# Altium PCB Graviton-EC2-Simplified.PcbDoc (part 2 of 9)
Units mm, origin at the board's own origin, x right, y up, seen from the top; angles counter-clockwise.
Board outline 200 x 200 mm, 10 copper layers (Top Layer, Internal Plane 1, Signal Layer 1, Internal Plane 2, Signal Layer 2, Signal Layer 3, Internal Plane 3, Signal Layer 4, Internal Plane 4, Bottom Layer), stack 1.674 mm thick; 774 components, 1540 nets, 6310 pads, 1698 vias.
Unrouted connection lines stored in the file: 74.
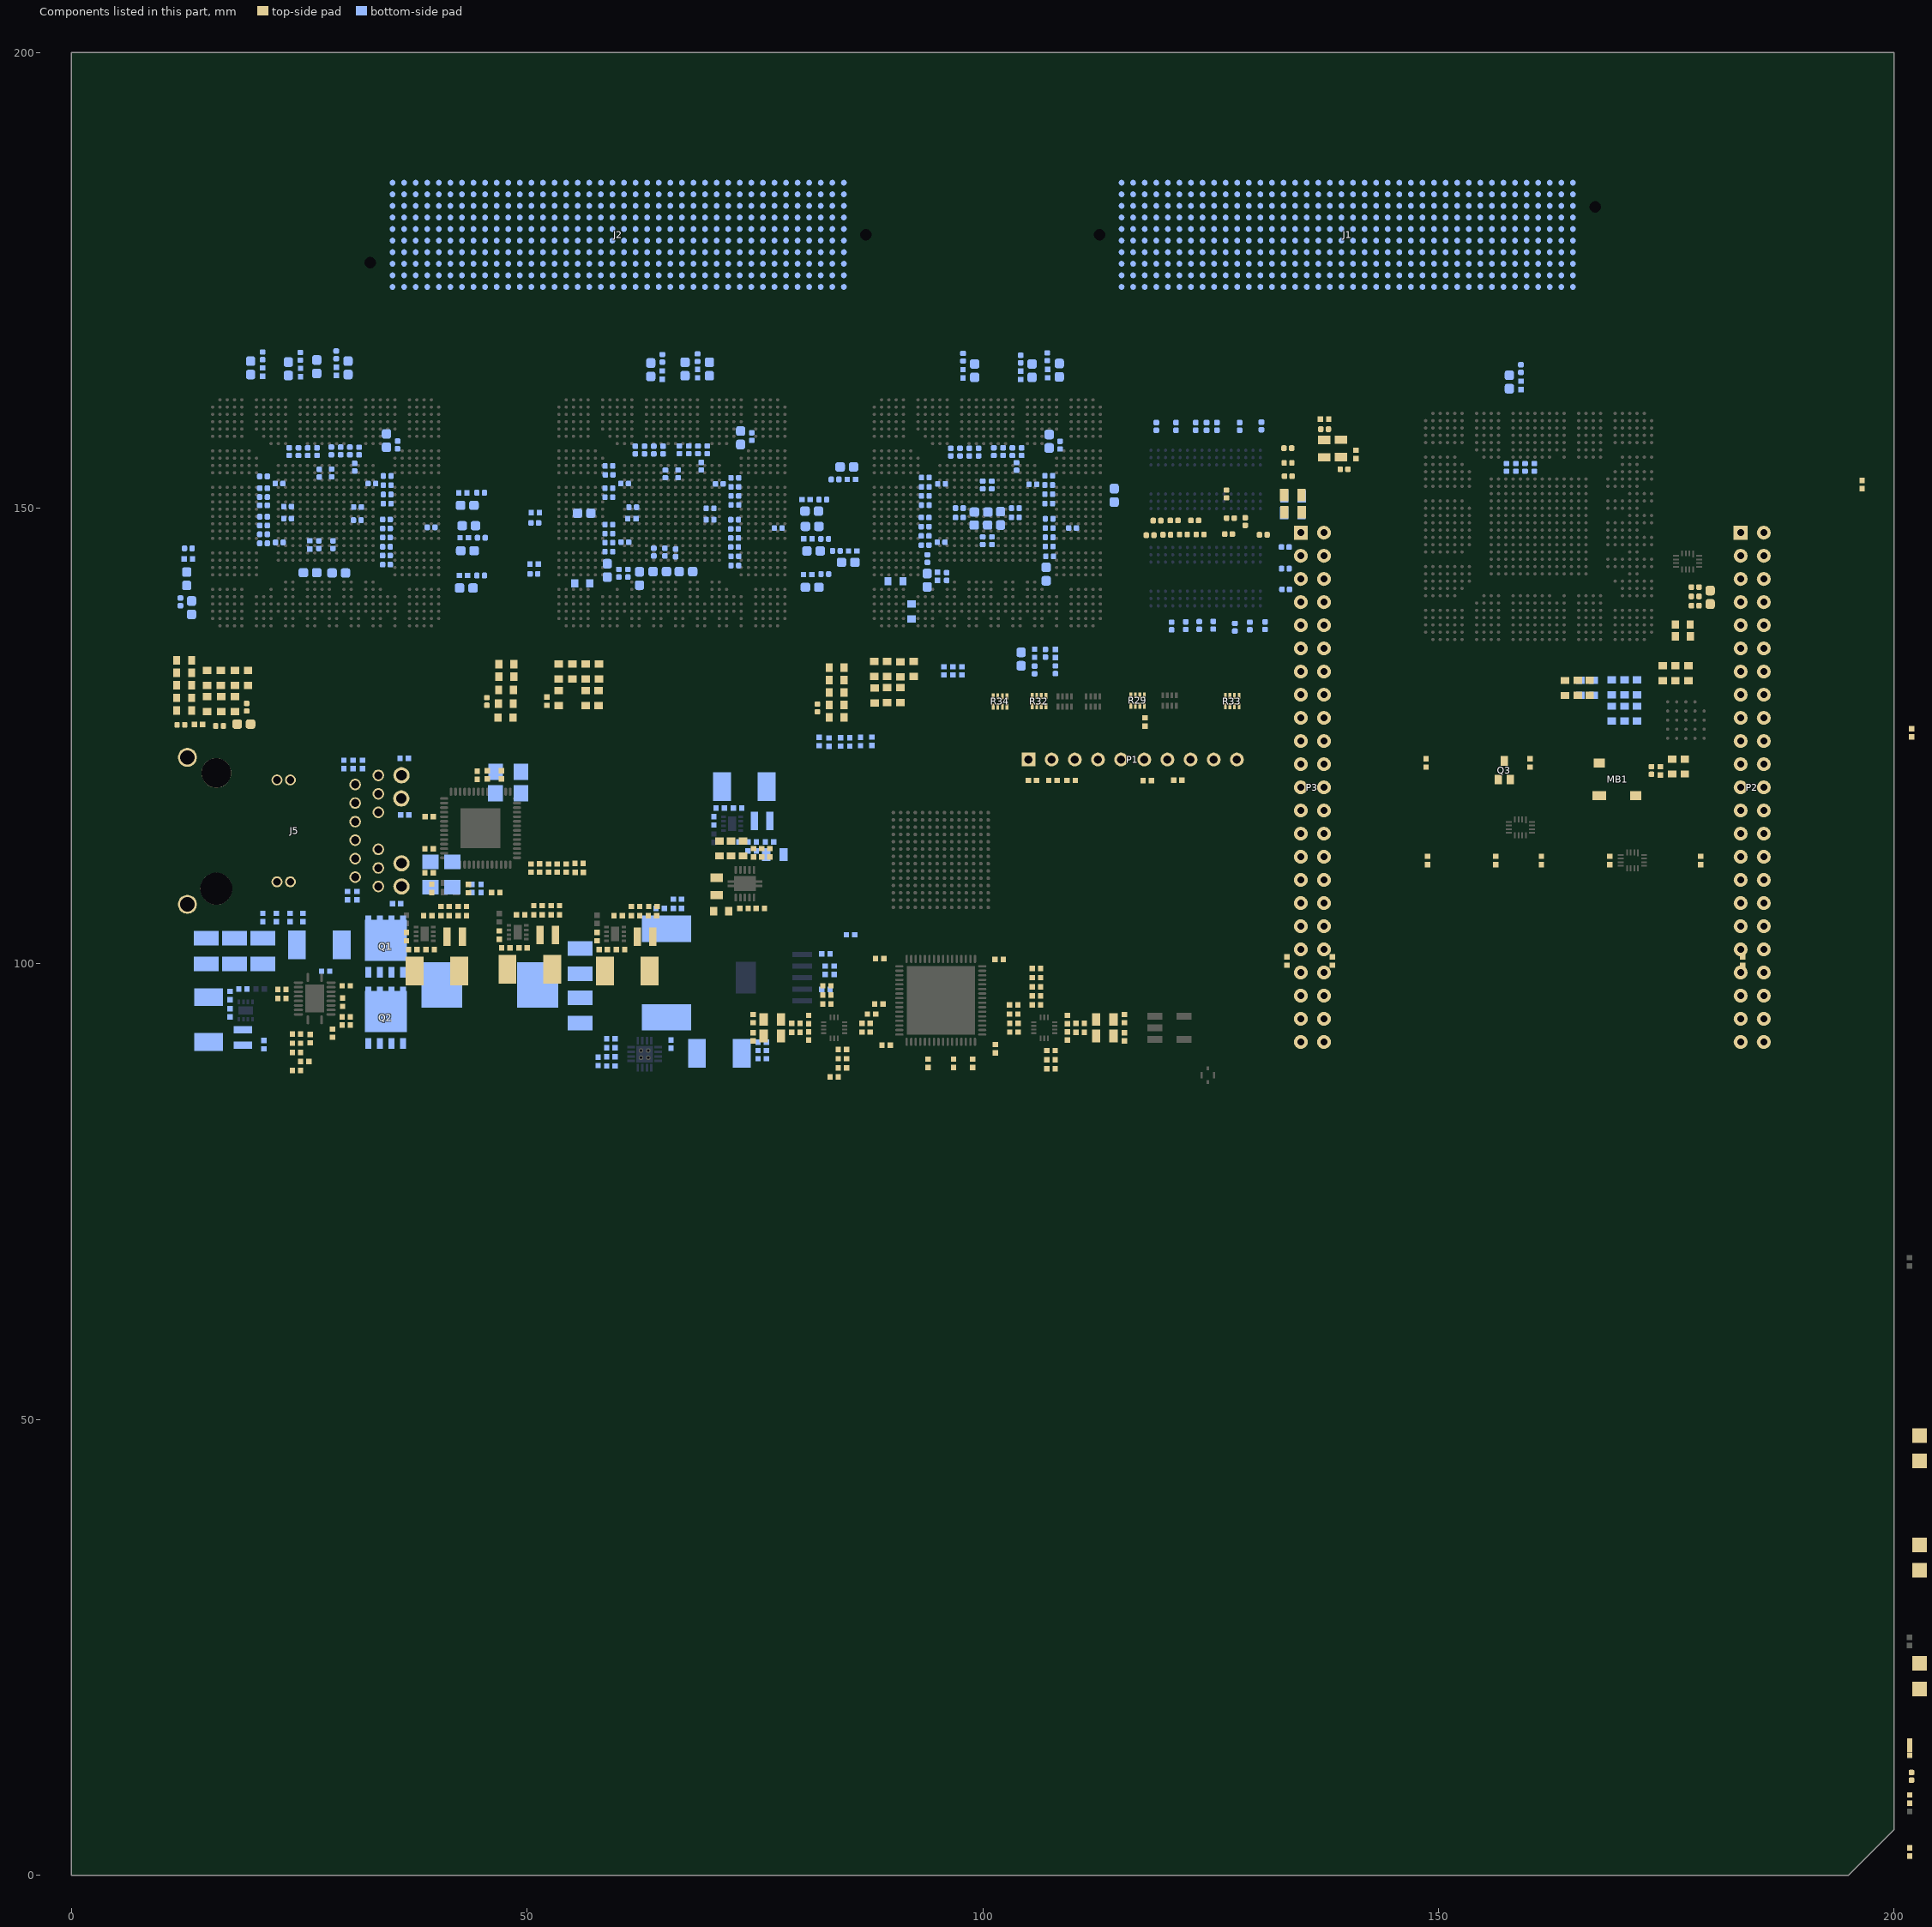
[diagram p10: the components of this part, seen from the top]

## Components (designator, comment, footprint, x,y, rotation, side; value= is the part's Value field where it differs from the comment)
C1 "CAP 0402" 0402 205.3,172.205 r90 top
C2 "CAP 0402" 0402 213.3,140.205 r90 top
C3 "CAP 0402" 0402 213.3,142.705 r90 top
C4 "CAP 0402" 0402 213.3,147.705 r90 top
C5 "CAP 0402" 0402 196.5,152.6 r90 top
C6 "CAP 0402" 0402 213.3,157.705 r90 top
C7 "CAP 0402" 0402 105.9,95.5 r0 top
C8 "CAP 0402" 0402 105.9,96.5 r0 top
C9 "CAP 0402" 0402 84.6,89.6 r180 top
C10 "CAP 0402" 0402 105.9,97.5 r0 top
C11 "CAP 0402" 0402 84.6,88.6 r180 top
C12 "CAP 0402" 0402 105.9,99.5 r180 top
C13 "CAP 0402" 0402 101.8,100.5 r180 top
C14 "CAP 0402" 0402 88.6,95.6 r0 top
C15 "CAP 0402" 0402 88.7,100.6 r0 top
C16 "CAP 0402" 0402 107.5,90.5 r180 top
C17 "CAP 0402" 0402 107.5,89.5 r180 top
C18 "CAP 0402" 0402 107.5,88.5 r180 top
C19 "CAP 0805" 0805 113.4,92.1 r180 top
C20 "CAP 0805" 0805 113.4,93.9 r180 top
C21 "CAP 0402" 0402 82.9,95.6 r0 top
C22 "CAP 0402" 0402 82.9,96.6 r0 top
C23 "CAP 0402" 0402 82.9,97.6 r0 top
C24 "CAP 0805" 0805 76.9,93.9 r0 top
C25 "CAP 0805" 0805 76.9,92.1 r0 top
C26 "CAP 0402" 0402 82.7,99.3 r90 bottom
C27 "CAP 0402" 0402 85.5,103.2 r0 bottom
C28 "CAP 0402" 0402 103.4,94.5 r180 top
C29 "CAP 0402" 0402 101.4,90.7 r90 top
C30 "CAP 0402" 0402 103.4,95.5 r180 top
C31 "CAP 0402" 0402 87.8,94.5 r0 top
C32 "CAP 0402" 0402 82.8,101.1 r180 bottom
C33 "CAP 0402" 0402 82.8,97.2 r180 bottom
C48 "GRM155R71A104KA01J" CAPC1005X56N#1 173.386,121.231 r90 top
C55A "CAP 0402" 0402 373.988,98.485 r90 top (schematic designator C55)
C55B "CAP 0402" 0402 309.188,81.84 r90 top (schematic designator C55)
C61A "CAP 0402" 0402 382.888,98.485 r90 top (schematic designator C61)
C61B "CAP 0402" 0402 318.088,81.84 r90 top (schematic designator C61)
C88 "CAP 0402" 1206 -25.642,78.08 r0 top
C89 "CAP 0402" 1206 -25.642,73.08 r0 top
C90 "CAP 0402" 0402 -25.142,96.58 r0 top
C91 "CAP 0402" 0402 -23.142,113.08 r0 top
C92 "CAP 0402" 0402 -23.142,108.08 r0 top
C93 "CAP 0402" 0402 -23.142,103.08 r0 top
C94 "CAP 0402" 0402 -26.545,97 r0 top
C95 "CAP 0402" 0402 -26.545,92 r0 top
C96 "CAP 0402" 0402 -25.142,111.58 r0 top
C97 "CAP 0402" 0402 -25.142,106.58 r0 top
C98 "CAP 0402" 0402 -27.545,98 r0 top
C99 "CAP 0402" 0402 -27.545,93 r0 top
C100 "CAP 0402" 0402 -27.142,108.08 r0 top
C101 "CAP 0402" 0402 -27.142,100.58 r0 top
C102 "CAP 0402" 0402 -27.142,93.08 r0 top
C103 "CAP 0402" 0402 -26.545,109.5 r0 top
C104 "CAP 0402" 0402 -32.545,114.5 r0 top
C105 "CAP 0402" 0402 -32.545,107 r0 top
C106 "CAP 0402" 0402 -32.545,99.5 r0 top
C107 "CAP 0402" 0402 -32.545,92 r0 top
C108 "CAP 0402" 0402 -28.142,111.08 r0 top
C109 "CAP 0402" 0402 -28.142,103.58 r0 top
C110 "CAP 0402" 0402 168.8,111.355 r270 top
C111 "CAP 0402" 0402 161.3,111.355 r270 top
C112 "CAP 0402" 0402 156.3,111.355 r270 top
C113 "CAP 0402" 0402 148.8,111.355 r270 top
C114 "CAP 0402" 0402 117.805,126.543 r90 top
C115 "GRM155R71A104KA01J" CAPC1005X56N#1 126.975,147.168 r0 top
C116 "GRM155R71A104KA01J" CAPC1005X56N#1 130.988,137.109 r90 bottom
C117 "GRM155R71A104KA01J" CAPC1005X56N#1 123.761,137.139 r90 bottom
C118 "GRM155R71A104KA01J" CAPC1005X56N#1 120.726,137.084 r90 bottom
C119 "GRM155R71A104KA01J" CAPC1005X56N#1 120.193,147.091 r0 top
C120 "GRM155R71A104KA01J" CAPC1005X56N#1 129.311,137.084 r90 bottom
C121 "GRM155R71A104KA01J" CAPC1005X56N#1 130.785,147.091 r180 top
C122 "GRM155R71A104KA01J" CAPC1005X56N#1 125.298,137.16 r90 bottom
C123 "GRM155R71A104KA01J" CAPC1005X56N#1 122.276,137.109 r90 bottom
C124 "GRM155R71A104KA01J" CAPC1005X56N#1 122.022,147.117 r0 top
C125 "GRM155R71A104KA01J" CAPC1005X56N#1 118.364,147.041 r180 top
C126 "10uF, 10V" 0805 134.034,149.458 r180 bottom
C127 "GRM155R71A104KA01J" CAPC1005X56N#1 123.85,147.117 r180 top
C128 "GRM155R71A104KA01J" CAPC1005X56N#1 127.668,136.944 r90 bottom
C129 "GRM155R71A104KA01J" CAPC1005X56N#1 133.248,141.097 r180 bottom
C130 "GRM155R71A104KA01J" CAPC1005X56N#1 133.211,143.377 r180 bottom
C131 "GRM155R71A104KA01J" CAPC1005X56N#1 133.198,145.745 r180 bottom
C132 "10uF, 10V" 0805 134.061,151.308 r180 bottom
C133 "GRM155R71A104KA01J" CAPC1005X56N#1 137.516,158.674 r180 top
C134 "GRM155R71A104KA01J" CAPC1005X56N#1 139.649,154.28 r180 top
C135 "GRM155R71A104KA01J" CAPC1005X56N#1 130.581,159.029 r270 bottom
C136 "CAP 0402" 0402 137.516,159.766 r180 top
C137 "CAP 0402" 0402 140.945,155.905 r270 top
C138 "GRM155R71A104KA01J" CAPC1005X56N#1 121.209,158.979 r270 bottom
C139 "GRM155R71A104KA01J" CAPC1005X56N#1 125.705,158.979 r270 bottom
C140 "GRM155R71A104KA01J" CAPC1005X56N#1 119.126,148.641 r0 top
C141 "GRM155R71A104KA01J" CAPC1005X56N#1 128.803,148.539 r270 top
C142 "GRM155R71A104KA01J" CAPC1005X56N#1 119.05,158.979 r270 bottom
C143 "GRM155R71A104KA01J" CAPC1005X56N#1 128.194,158.979 r270 bottom
C144 "GRM155R71A104KA01J" CAPC1005X56N#1 121.006,148.666 r180 top
C145 "GRM155R71A104KA01J" CAPC1005X56N#1 123.266,148.666 r0 top
C146 "GRM155R71A104KA01J" CAPC1005X56N#1 127.178,148.92 r180 top
C147 "GRM155R71A104KA01J" CAPC1005X56N#1 123.368,158.979 r270 bottom
C148 "GRM155R71A104KA01J" CAPC1005X56N#1 124.562,158.979 r270 bottom
C149 "10uF, 10V" 0805 134.036,151.46 r180 top
C150 "GRM155R71A104KA01J" CAPC1005X56N#1 126.746,151.562 r270 top
C151 "GRM155R71A104KA01J" CAPC1005X56N#1 133.502,154.965 r180 top
C152 "GRM155R71A104KA01J" CAPC1005X56N#1 133.528,153.518 r180 top
C153 "GRM155R71A104KA01J" CAPC1005X56N#1 133.477,156.591 r180 top
C155 "10uF, 10V" 0805 134.061,149.581 r180 top
C156 "1uF" 0402 214.42,125.358 r90 top
C157 "1uF" 0402 221.92,125.358 r90 top
C158 "100nF" 0402 229.42,125.358 r90 top
C159 "100nF" 0402 236.92,125.358 r90 top
C160 "GRM155R71A104KA01J" CAPC1005X56N#1 159.055,165.329 r270 bottom
C161 "GRM188R71A225KE15D" CAPC1608X90N 157.785,163.855 r270 bottom
C162 "GRM155R71A104KA01J" CAPC1005X56N#1 158.496,154.483 r270 bottom
C163 "GRM155R71A104KA01J" CAPC1005X56N#1 157.48,154.483 r270 bottom
C164 "GRM155R71A104KA01J" CAPC1005X56N#1 159.512,154.483 r270 bottom
C165 "GRM155R71A104KA01J" CAPC1005X56N#1 160.528,154.483 r270 bottom
C166 "GRM188R71A225KE15D" CAPC1608X90N 179.828,140.228 r90 top
C167 "GRM155R71A104KA01J" CAPC1005X56N#1 178.177,139.313 r0 top
C168 "GRM155R71A104KA01J" CAPC1005X56N#1 178.177,140.329 r0 top
C169 "GRM155R71A104KA01J" CAPC1005X56N#1 178.177,141.345 r0 top
C171 "CAP 0402" 0402 215.5,87.155 r90 top
C172 "CAP 0402" 0402 286.92,62.858 r90 top
C173 "GRM188R71A225KE15D" CAPC1608X90N 204.42,62.858 r90 top
C174 "GRM188R71A225KE15D" CAPC1608X90N 209.42,62.858 r90 top
C175 "GRM188R71A225KE15D" CAPC1608X90N 216.92,62.858 r90 top
C176 "GRM155R71A104KA01J" CAPC1005X56N#1 224.42,62.858 r90 top
C177 "GRM155R71A104KA01J" CAPC1005X56N#1 231.92,62.858 r90 top
C178 "GRM155R71A104KA01J" CAPC1005X56N#1 239.42,62.858 r90 top
C179 "GRM155R71A104KA01J" CAPC1005X56N#1 246.92,62.858 r90 top
C180 "GRM155R71A104KA01J" CAPC1005X56N#1 251.92,62.858 r90 top
C181 "GRM155R71A104KA01J" CAPC1005X56N#1 259.42,62.858 r90 top
C182 "GRM155R71A104KA01J" CAPC1005X56N#1 266.92,62.858 r90 top
C183 "GRM155R71A104KA01J" CAPC1005X56N#1 274.42,62.858 r90 top
C184 "CAP 0402" 0402 84.6,90.6 r180 top
C186 "CAP 0402" 0402 94,89.1 r90 top
C187 "CAP 0402" 0402 96.8,89.1 r90 top
C188 "CAP 0402" 0402 89.4,91.1 r0 top
C189 "CAP 0402" 0402 98.9,89.1 r90 top
C190A "CAP 10UF 0402" 0402 46.964,103.166 r270 top (schematic designator C190)
C190B "CAP 10UF 0402" 0402 57.664,102.991 r270 top (schematic designator C190)
C190C "CAP 10UF 0402" 0402 36.764,102.991 r270 top (schematic designator C190)
C190D "CAP 10UF 0402" 0402 18.816,97.236 r180 bottom (schematic designator C190)
C190E "CAP 10UF 0402" 0402 70.5,115.7 r90 bottom (schematic designator C190)
C191A "CAP 10UF 0402" 0402 49.564,101.766 r180 top (schematic designator C191)
C191B "CAP 10UF 0402" 0402 60.264,101.591 r180 top (schematic designator C191)
C191C "CAP 10UF 0402" 0402 39.364,101.591 r180 top (schematic designator C191)
C191D "CAP 10UF 0402" 0402 17.416,94.636 r270 bottom (schematic designator C191)
C191E "CAP 10UF 0402" 0402 73.1,117.1 r180 bottom (schematic designator C191)
C192A "CAP 10UF 0402" 0402 47.664,101.766 r0 top (schematic designator C192)
C192B "CAP 10UF 0402" 0402 58.364,101.591 r0 top (schematic designator C192)
C192C "CAP 10UF 0402" 0402 37.464,101.591 r0 top (schematic designator C192)
C192D "CAP 10UF 0402" 0402 17.416,96.536 r90 bottom (schematic designator C192)
C192E "CAP 10UF 0402" 0402 71.2,117.1 r0 bottom (schematic designator C192)
C193A "CAP 10UF 0402" 0402 53.1,105.4 r180 top (schematic designator C193)
C193B "CAP 10UF 0402" 0402 63.764,105.291 r180 top (schematic designator C193)
C193C "CAP 10UF 0402" 0402 42.9,105.3 r180 top (schematic designator C193)
C193D "CAP 10UF 0402" 0402 21.116,91.136 r270 bottom (schematic designator C193)
C193E "CAP 10UF 0402" 0402 76.6,113.4 r180 bottom (schematic designator C193)
C204 "CAP 0402" 0402 50.419,110.515 r90 top
C205 "CAP 0402" 0402 51.388,110.523 r90 top
C206 "CAP 0402" 0402 52.349,110.515 r90 top
C207 "CAP 0402" 0402 53.315,110.515 r90 top
C208 "CAP 0402" 0402 54.28,110.515 r90 top
C209 "CAP 0402" 0402 55.728,110.033 r0 top
C210 "CAP 0402" 0402 46.558,107.848 r0 top
C211 "CAP 0402" 1206 41.783,109.804 r90 bottom
C212 "CAP 0402" 1206 39.395,109.804 r90 bottom
C213 "CAP 0402" 0402 39.262,116.147 r0 top
C214 "CAP 0402" 0402 39.243,112.649 r0 top
C215 "CAP 0402" 0402 31.344,107.493 r90 bottom
C216 "CAP 0402" 0402 30.305,107.501 r90 bottom
C217 "CAP 0402" 0402 29.9,121.886 r270 bottom
C218 "CAP 0402" 0402 30.923,121.886 r270 bottom
C219 "CAP 0402" 0402 31.953,121.895 r270 bottom
C220 "CAP 0402" 1206 47.93,121.082 r180 bottom
C221 "CAP 0402" 1206 47.929,118.715 r180 bottom
C222 "CAP 0402" 0402 45.618,120.752 r270 top
C223 "CAP 0402" 0402 47.193,120.752 r270 top
C224 "CAP 0402" 0402 39.536,108.293 r270 top
C225 "CAP 0402" 0402 43.575,108.268 r90 top
C226A "GRM155R71A104KA01J" CAPC1005X56N#1 97.841,166.573 r270 bottom (schematic designator C226)
C226B "GRM155R71A104KA01J" CAPC1005X56N#1 25.121,166.675 r270 bottom (schematic designator C226)
C226C "GRM155R71A104KA01J" CAPC1005X56N#1 64.846,166.446 r270 bottom (schematic designator C226)
C227A "GRM188R71A225KE15D" CAPC1608X90N 99.111,165.1 r270 bottom (schematic designator C227)
C227B "GRM188R71A225KE15D" CAPC1608X90N 23.8,165.303 r270 bottom (schematic designator C227)
C227C "GRM188R71A225KE15D" CAPC1608X90N 63.576,165.202 r270 bottom (schematic designator C227)
C228A "GRM155R71A104KA01J" CAPC1005X56N#1 96.495,156.159 r270 bottom (schematic designator C228)
C228B "GRM155R71A104KA01J" CAPC1005X56N#1 23.901,156.21 r270 bottom (schematic designator C228)
C228C "GRM155R71A104KA01J" CAPC1005X56N#1 61.874,156.388 r270 bottom (schematic designator C228)
C229A "GRM155R71A104KA01J" CAPC1005X56N#1 97.511,156.159 r270 bottom (schematic designator C229)
C229B "GRM155R71A104KA01J" CAPC1005X56N#1 24.917,156.21 r270 bottom (schematic designator C229)
C229C "GRM155R71A104KA01J" CAPC1005X56N#1 62.89,156.388 r270 bottom (schematic designator C229)
C230A "GRM155R71A104KA01J" CAPC1005X56N#1 98.527,156.159 r270 bottom (schematic designator C230)
C230B "GRM155R71A104KA01J" CAPC1005X56N#1 25.933,156.21 r270 bottom (schematic designator C230)
C230C "GRM155R71A104KA01J" CAPC1005X56N#1 63.906,156.388 r270 bottom (schematic designator C230)
C231A "GRM155R71A104KA01J" CAPC1005X56N#1 99.543,156.159 r270 bottom (schematic designator C231)
C231B "GRM155R71A104KA01J" CAPC1005X56N#1 26.949,156.21 r270 bottom (schematic designator C231)
C231C "GRM155R71A104KA01J" CAPC1005X56N#1 64.922,156.388 r270 bottom (schematic designator C231)
C232A "GRM155R71A104KA01J" CAPC1005X56N#1 104.165,166.37 r270 bottom (schematic designator C232)
C232B "GRM155R71A104KA01J" CAPC1005X56N#1 29.058,166.827 r270 bottom (schematic designator C232)
C232C "GRM155R71A104KA01J" CAPC1005X56N#1 68.707,166.522 r270 bottom (schematic designator C232)
C233A "GRM188R71A225KE15D" CAPC1608X90N 105.41,165.1 r270 bottom (schematic designator C233)
C233B "GRM188R71A225KE15D" CAPC1608X90N 30.353,165.405 r270 bottom (schematic designator C233)
C233C "GRM188R71A225KE15D" CAPC1608X90N 70.002,165.278 r270 bottom (schematic designator C233)
C234A "GRM155R71A104KA01J" CAPC1005X56N#1 101.219,156.21 r270 bottom (schematic designator C234)
C234B "GRM155R71A104KA01J" CAPC1005X56N#1 28.524,156.286 r270 bottom (schematic designator C234)
C234C "GRM155R71A104KA01J" CAPC1005X56N#1 66.726,156.413 r270 bottom (schematic designator C234)
C235A "GRM155R71A104KA01J" CAPC1005X56N#1 102.235,156.21 r270 bottom (schematic designator C235)
C235B "GRM155R71A104KA01J" CAPC1005X56N#1 29.54,156.286 r270 bottom (schematic designator C235)
C235C "GRM155R71A104KA01J" CAPC1005X56N#1 67.742,156.413 r270 bottom (schematic designator C235)
C236A "GRM155R71A104KA01J" CAPC1005X56N#1 103.251,156.21 r270 bottom (schematic designator C236)
C236B "GRM155R71A104KA01J" CAPC1005X56N#1 30.556,156.286 r270 bottom (schematic designator C236)
C236C "GRM155R71A104KA01J" CAPC1005X56N#1 68.758,156.413 r270 bottom (schematic designator C236)
C237A "GRM155R71A104KA01J" CAPC1005X56N#1 104.267,156.21 r270 bottom (schematic designator C237)
C237B "GRM155R71A104KA01J" CAPC1005X56N#1 31.568,156.284 r270 bottom (schematic designator C237)
C237C "GRM155R71A104KA01J" CAPC1005X56N#1 69.774,156.413 r270 bottom (schematic designator C237)
C238A "GRM155R71A104KA01J" CAPC1005X56N#1 107.086,166.624 r270 bottom (schematic designator C238)
C238B "GRM155R71A104KA01J" CAPC1005X56N#1 44.906,151.705 r180 bottom (schematic designator C238)
C238C "GRM155R71A104KA01J" CAPC1005X56N#1 82.448,150.952 r180 bottom (schematic designator C238)
C239A "GRM188R71A225KE15D" CAPC1608X90N 108.407,165.151 r270 bottom (schematic designator C239)
C239B "GRM188R71A225KE15D" CAPC1608X90N 43.434,150.317 r180 bottom (schematic designator C239)
C239C "GRM188R71A225KE15D" CAPC1608X90N 81.229,149.682 r180 bottom (schematic designator C239)
C240A "GRM155R71A104KA01J" CAPC1005X56N#1 107.239,153.568 r180 bottom (schematic designator C240)
C240B "GRM155R71A104KA01J" CAPC1005X56N#1 34.646,153.543 r180 bottom (schematic designator C240)
C240C "GRM155R71A104KA01J" CAPC1005X56N#1 72.796,153.34 r180 bottom (schematic designator C240)
C241A "GRM155R71A104KA01J" CAPC1005X56N#1 107.239,152.552 r180 bottom (schematic designator C241)
C241B "GRM155R71A104KA01J" CAPC1005X56N#1 34.646,152.527 r180 bottom (schematic designator C241)
C241C "GRM155R71A104KA01J" CAPC1005X56N#1 72.796,152.349 r180 bottom (schematic designator C241)
C242A "GRM155R71A104KA01J" CAPC1005X56N#1 107.239,151.536 r180 bottom (schematic designator C242)
C242B "GRM155R71A104KA01J" CAPC1005X56N#1 34.646,151.511 r180 bottom (schematic designator C242)
C242C "GRM155R71A104KA01J" CAPC1005X56N#1 72.796,151.359 r180 bottom (schematic designator C242)
C243A "GRM155R71A104KA01J" CAPC1005X56N#1 107.239,150.52 r180 bottom (schematic designator C243)
C243B "GRM155R71A104KA01J" CAPC1005X56N#1 34.644,150.499 r180 bottom (schematic designator C243)
C243C "GRM155R71A104KA01J" CAPC1005X56N#1 72.803,150.372 r180 bottom (schematic designator C243)
C244A "GRM188R71A225KE15D" CAPC1608X90N -6.226,173.227 r90 bottom (schematic designator C244)
C244B "GRM188R71A225KE15D" CAPC1608X90N -6.045,178.714 r90 bottom (schematic designator C244)
C244C "GRM188R71A225KE15D" CAPC1608X90N -5.69,186.258 r90 bottom (schematic designator C244)
C245A "GRM155R71A104KA01J" CAPC1005X56N#1 -7.468,173.761 r90 bottom (schematic designator C245)
C245B "GRM155R71A104KA01J" CAPC1005X56N#1 -7.651,179.275 r90 bottom (schematic designator C245)
C245C "GRM155R71A104KA01J" CAPC1005X56N#1 -6.909,186.893 r90 bottom (schematic designator C245)
C246A "GRM155R71A104KA01J" CAPC1005X56N#1 105.689,132.258 r90 bottom (schematic designator C246)
C246B "GRM155R71A104KA01J" CAPC1005X56N#1 44.983,146.761 r180 bottom (schematic designator C246)
C246C "GRM155R71A104KA01J" CAPC1005X56N#1 82.652,146.634 r180 bottom (schematic designator C246)
C247A "GRM188R71A225KE15D" CAPC1608X90N 104.216,133.452 r90 bottom (schematic designator C247)
C247B "GRM188R71A225KE15D" CAPC1608X90N 43.459,145.339 r180 bottom (schematic designator C247)
C247C "GRM188R71A225KE15D" CAPC1608X90N 81.432,145.313 r180 bottom (schematic designator C247)
C248A "GRM155R71A104KA01J" CAPC1005X56N#1 107.29,148.844 r180 bottom (schematic designator C248)
C248B "GRM155R71A104KA01J" CAPC1005X56N#1 34.569,148.768 r180 bottom (schematic designator C248)
C248C "GRM155R71A104KA01J" CAPC1005X56N#1 72.771,148.742 r180 bottom (schematic designator C248)
C249A "GRM155R71A104KA01J" CAPC1005X56N#1 107.29,147.828 r180 bottom (schematic designator C249)
C249B "GRM155R71A104KA01J" CAPC1005X56N#1 34.569,147.777 r180 bottom (schematic designator C249)
C249C "GRM155R71A104KA01J" CAPC1005X56N#1 72.771,147.726 r180 bottom (schematic designator C249)
C250A "GRM155R71A104KA01J" CAPC1005X56N#1 107.29,146.812 r180 bottom (schematic designator C250)
C250B "GRM155R71A104KA01J" CAPC1005X56N#1 34.569,146.787 r180 bottom (schematic designator C250)
C250C "GRM155R71A104KA01J" CAPC1005X56N#1 72.771,146.736 r180 bottom (schematic designator C250)
C251A "GRM155R71A104KA01J" CAPC1005X56N#1 107.29,145.796 r180 bottom (schematic designator C251)
C251B "GRM155R71A104KA01J" CAPC1005X56N#1 34.569,145.775 r180 bottom (schematic designator C251)
C251C "GRM155R71A104KA01J" CAPC1005X56N#1 72.771,145.745 r180 bottom (schematic designator C251)
C252A "GRM188R71A225KE15D" CAPC1608X90N 114.43,151.418 r270 bottom (schematic designator C252)
C252B "GRM188R71A225KE15D" CAPC1608X90N 43.612,148.082 r180 bottom (schematic designator C252)
C252C "GRM188R71A225KE15D" CAPC1608X90N 81.28,148.006 r180 bottom (schematic designator C252)
C253A "GRM155R71A104KA01J" CAPC1005X56N#1 109.855,147.828 r0 bottom (schematic designator C253)
C253B "GRM155R71A104KA01J" CAPC1005X56N#1 39.472,147.904 r180 bottom (schematic designator C253)
C253C "GRM155R71A104KA01J" CAPC1005X56N#1 77.553,147.822 r180 bottom (schematic designator C253)
C254A "GRM155R71A104KA01J" CAPC1005X56N#1 107.975,132.283 r90 bottom (schematic designator C254)
C254B "GRM155R71A104KA01J" CAPC1005X56N#1 44.907,142.621 r180 bottom (schematic designator C254)
C254C "GRM155R71A104KA01J" CAPC1005X56N#1 82.677,142.773 r180 bottom (schematic designator C254)
C255A "GRM188R71A225KE15D" CAPC1608X90N 106.959,142.773 r90 bottom (schematic designator C255)
C255B "GRM188R71A225KE15D" CAPC1608X90N 43.332,141.249 r180 bottom (schematic designator C255)
C255C "GRM188R71A225KE15D" CAPC1608X90N 81.28,141.326 r180 bottom (schematic designator C255)
C256A "GRM155R71A104KA01J" CAPC1005X56N#1 107.34,144.729 r180 bottom (schematic designator C256)
C256B "GRM155R71A104KA01J" CAPC1005X56N#1 34.569,144.812 r180 bottom (schematic designator C256)
C256C "GRM155R71A104KA01J" CAPC1005X56N#1 72.796,143.713 r180 bottom (schematic designator C256)
C257A "GRM155R71A104KA01J" CAPC1005X56N#1 106.883,134.087 r90 bottom (schematic designator C257)
C257B "GRM155R71A104KA01J" CAPC1005X56N#1 34.569,143.815 r180 bottom (schematic designator C257)
C257C "GRM155R71A104KA01J" CAPC1005X56N#1 72.796,144.729 r180 bottom (schematic designator C257)
C258A "GRM155R71A104KA01J" CAPC1005X56N#1 83.947,145.313 r0 bottom (schematic designator C258)
C258B "GRM155R71A104KA01J" CAPC1005X56N#1 12.827,145.593 r0 bottom (schematic designator C258)
C258C "GRM155R71A104KA01J" CAPC1005X56N#1 50.749,142.799 r180 bottom (schematic designator C258)
C259A "GRM188R71A225KE15D" CAPC1608X90N 85.242,144.069 r0 bottom (schematic designator C259)
C259B "GRM188R71A225KE15D" CAPC1608X90N 12.649,142.265 r90 bottom (schematic designator C259)
C259C "GRM188R71A225KE15D" CAPC1608X90N 58.801,143.18 r90 bottom (schematic designator C259)
C260A "GRM155R71A104KA01J" CAPC1005X56N#1 93.675,145.948 r0 bottom (schematic designator C260)
C260B "GRM155R71A104KA01J" CAPC1005X56N#1 21.082,146.152 r0 bottom (schematic designator C260)
C260C "GRM155R71A104KA01J" CAPC1005X56N#1 58.979,145.237 r0 bottom (schematic designator C260)